# Altium PCB PCB1.PcbDoc (part 1 of 5) (continued)
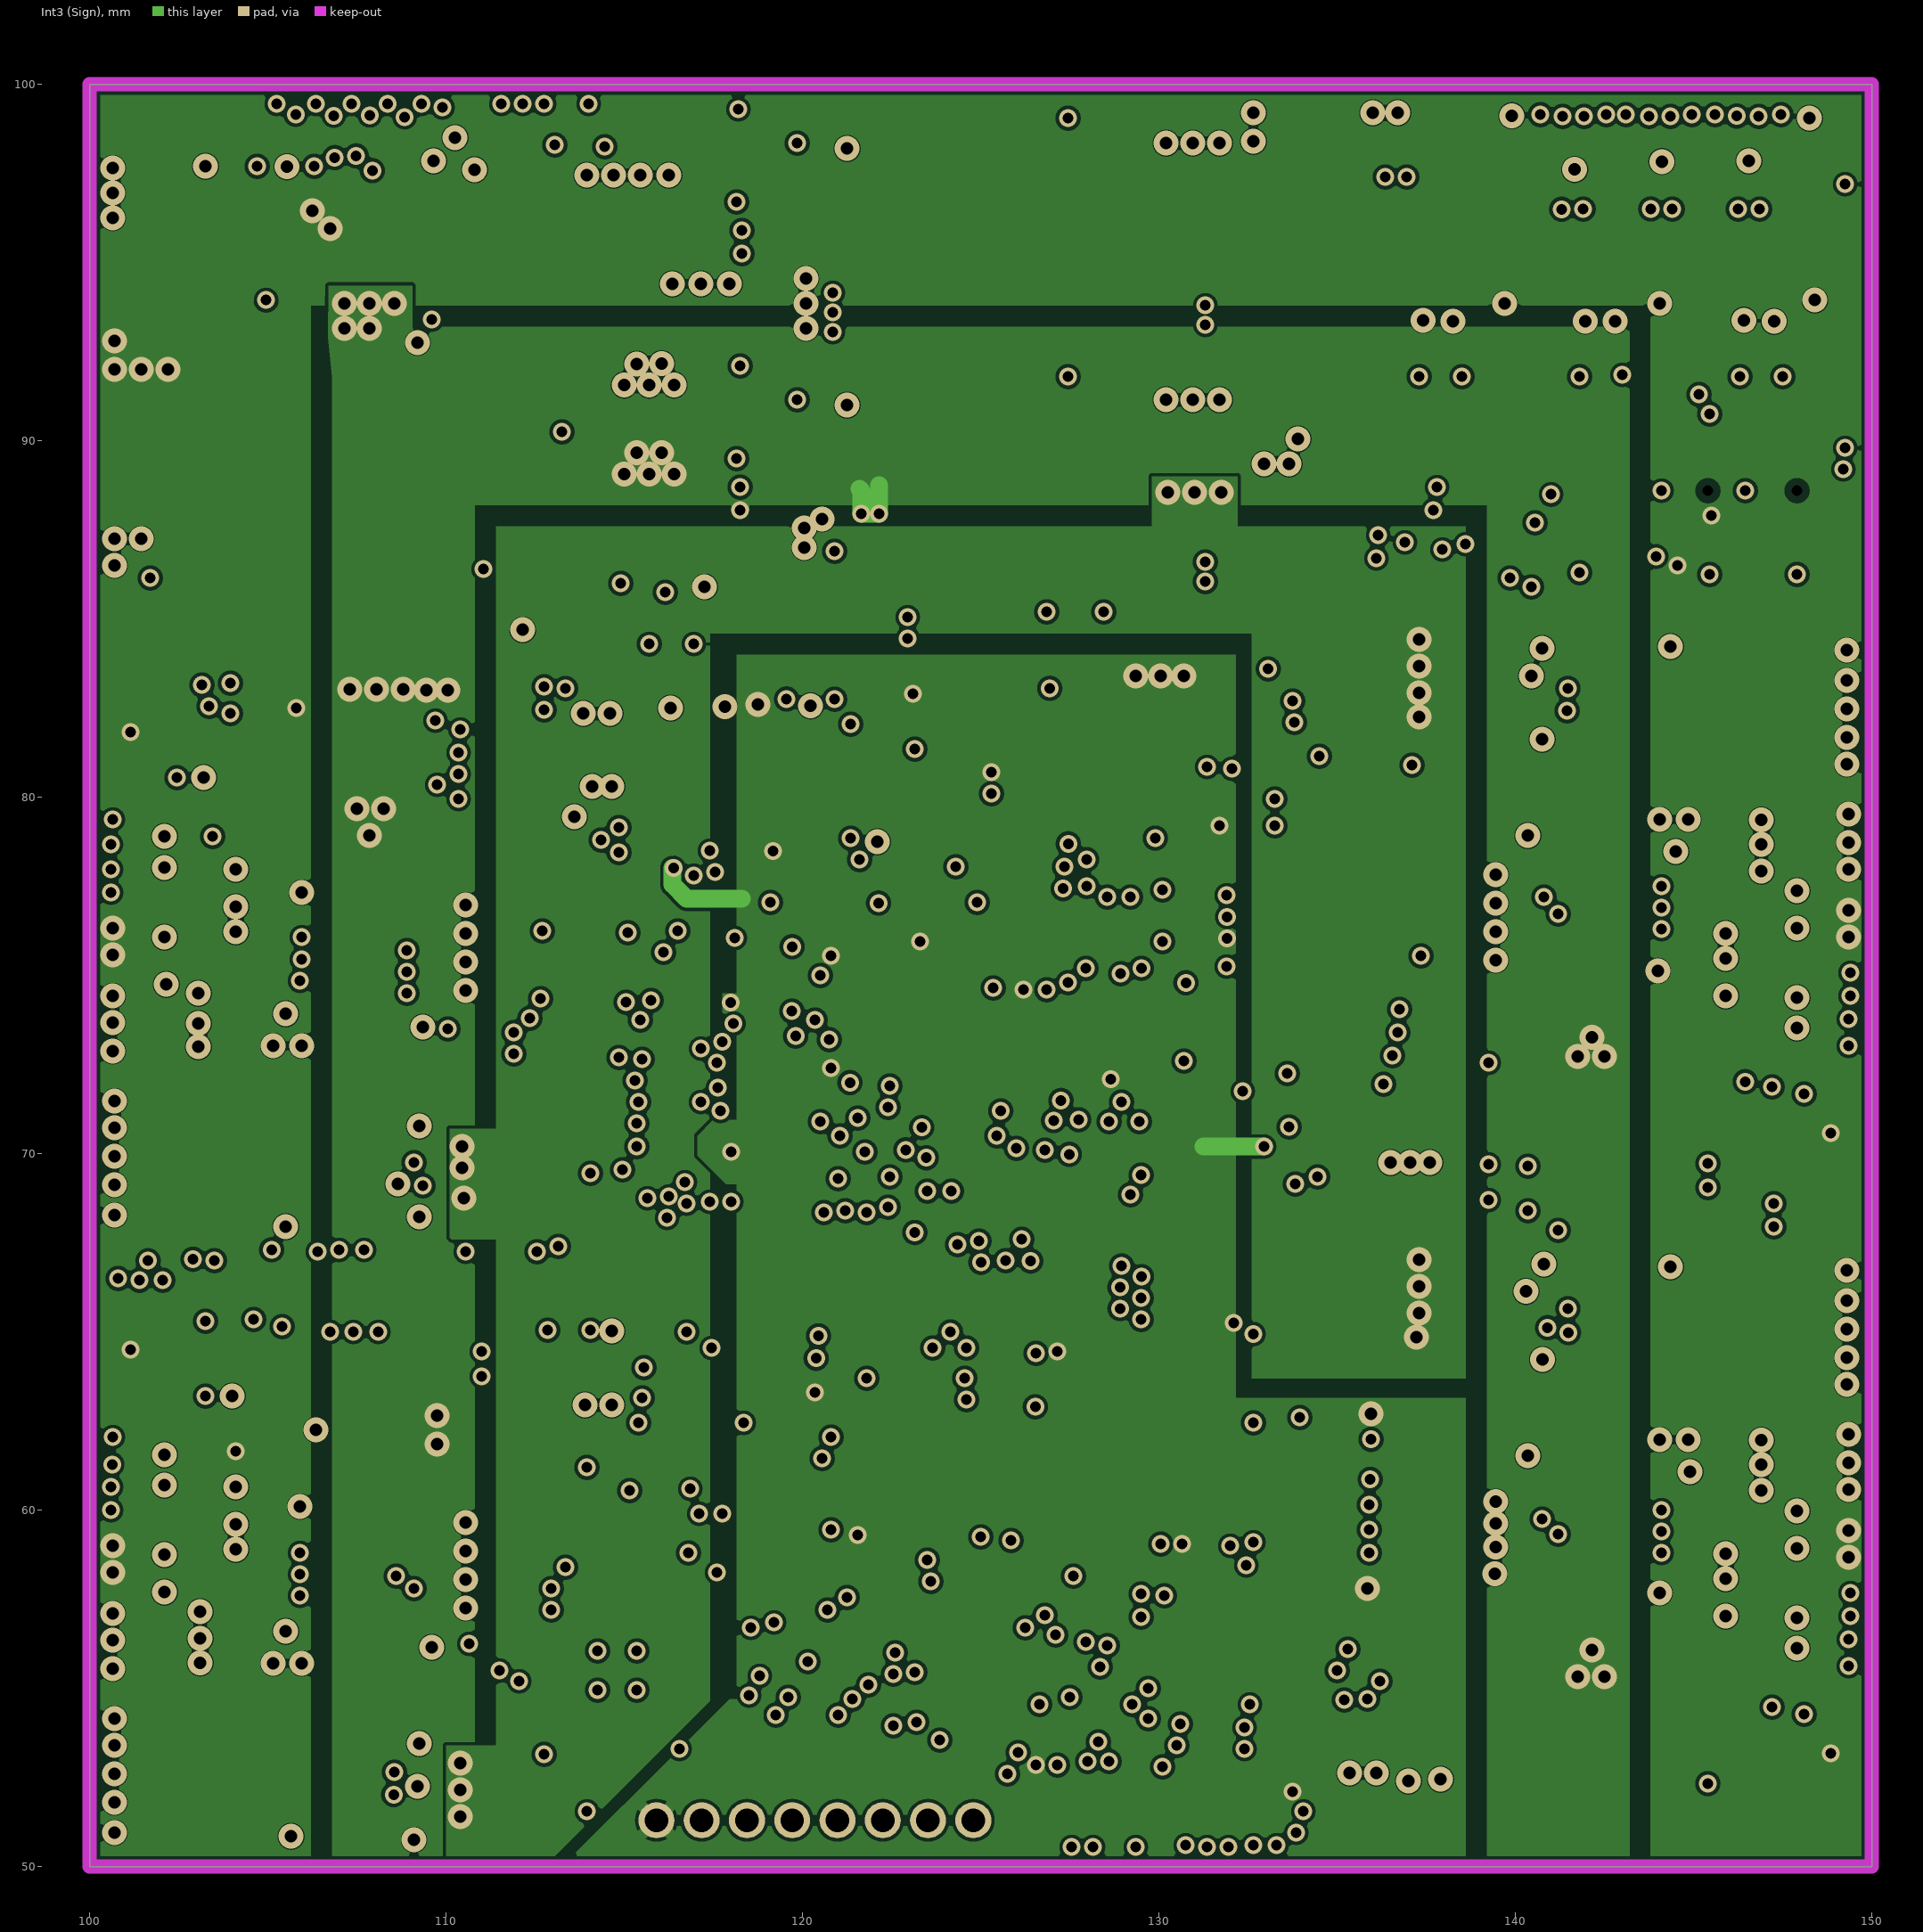
[diagram p4: Int3 (Sign)]
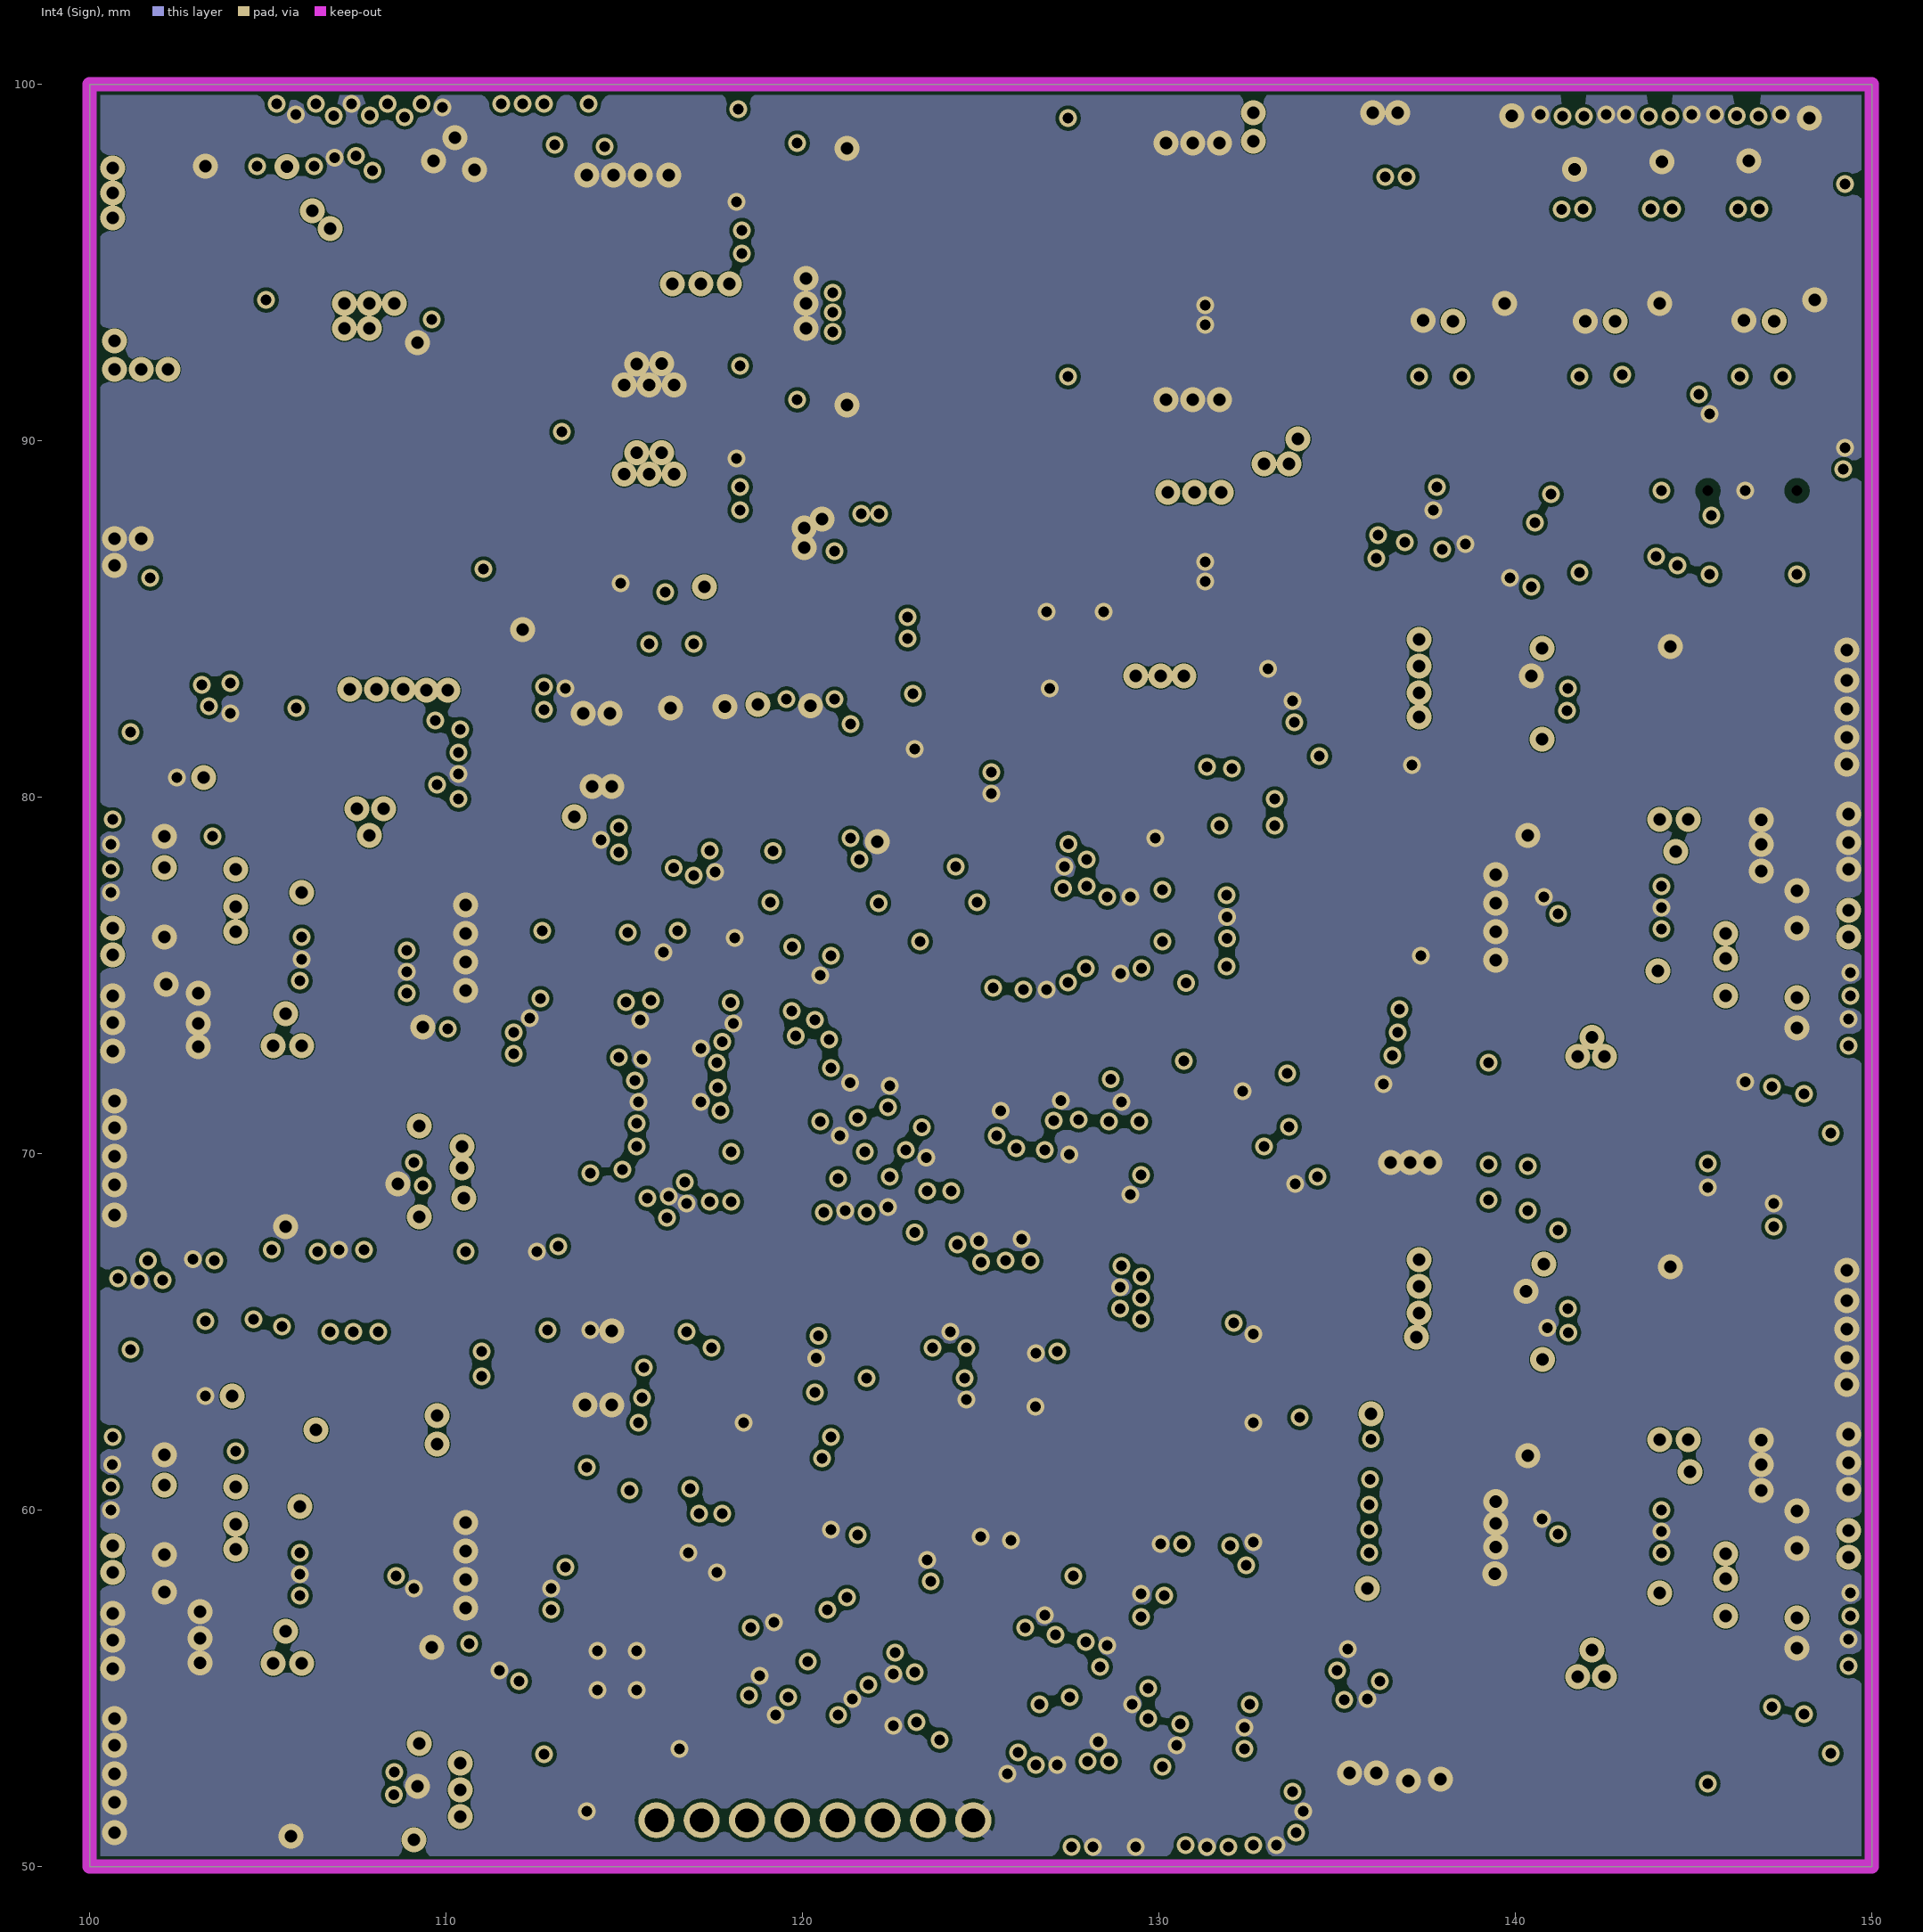
[diagram p5: Int4 (Sign)]
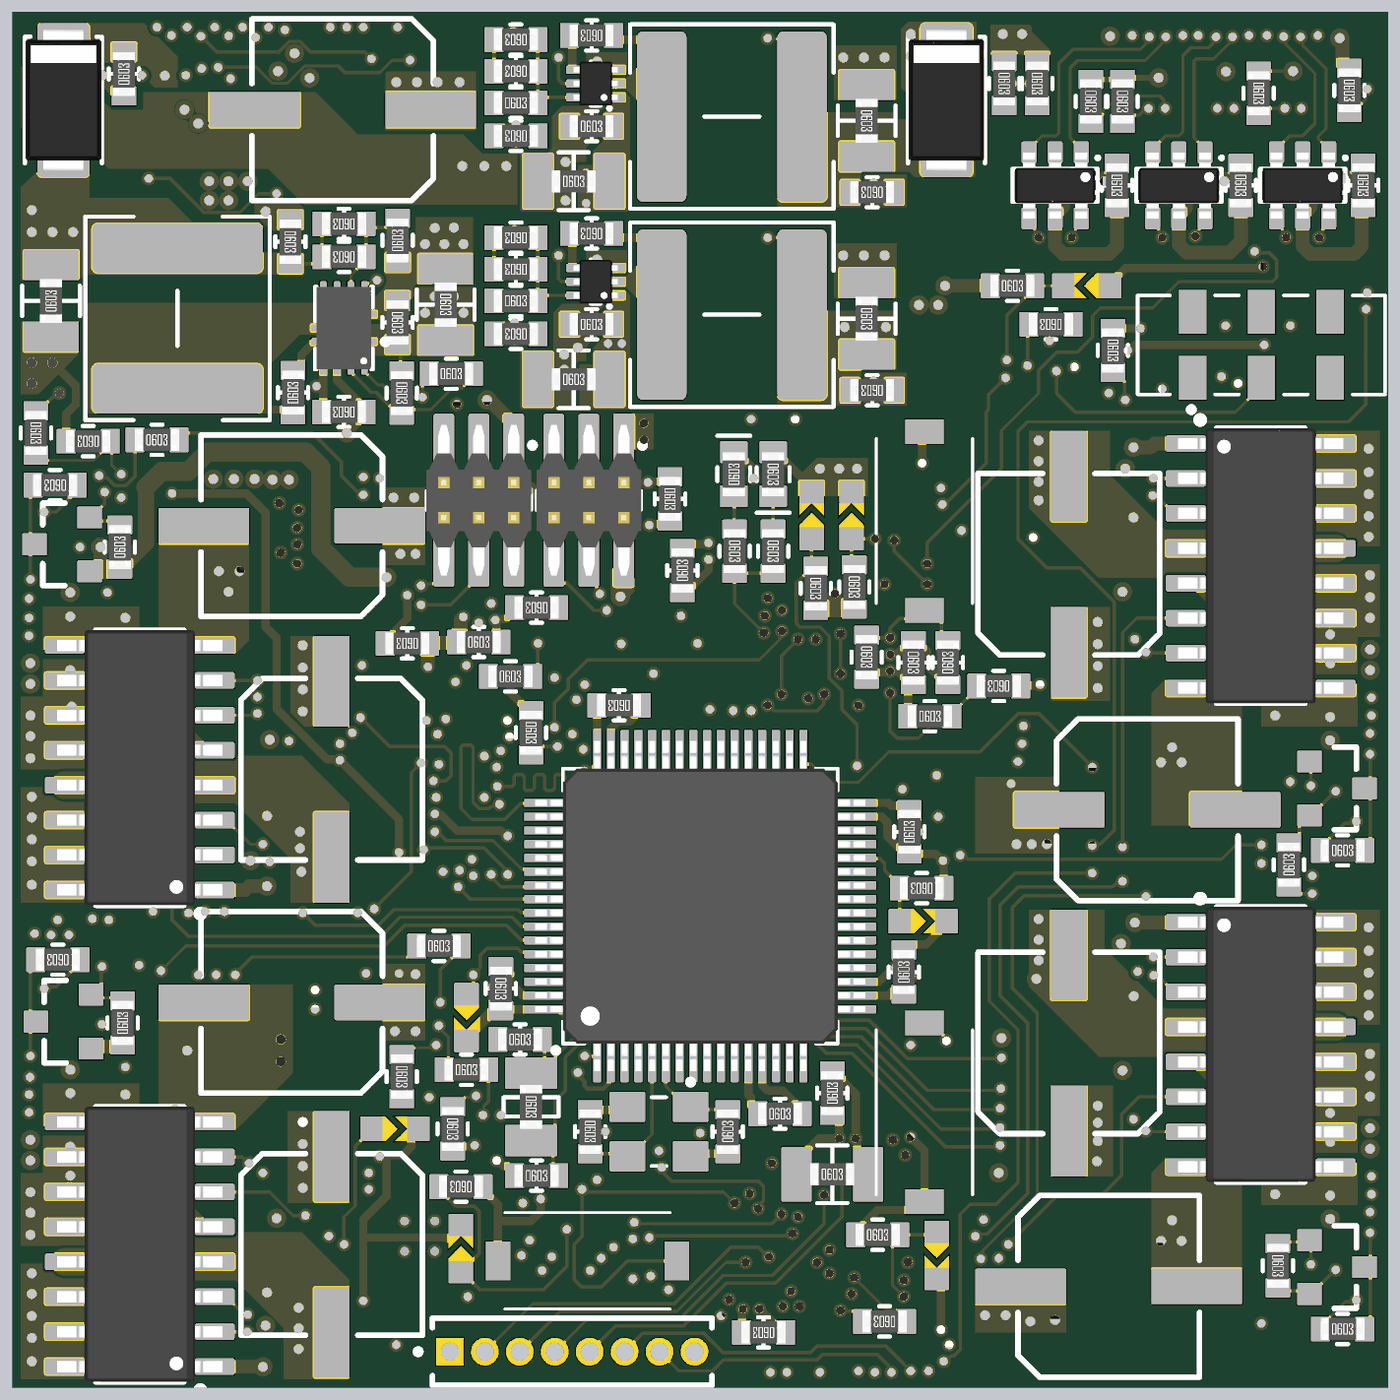
[diagram p10: 3D render of the assembled board from above, using the file's embedded part models]
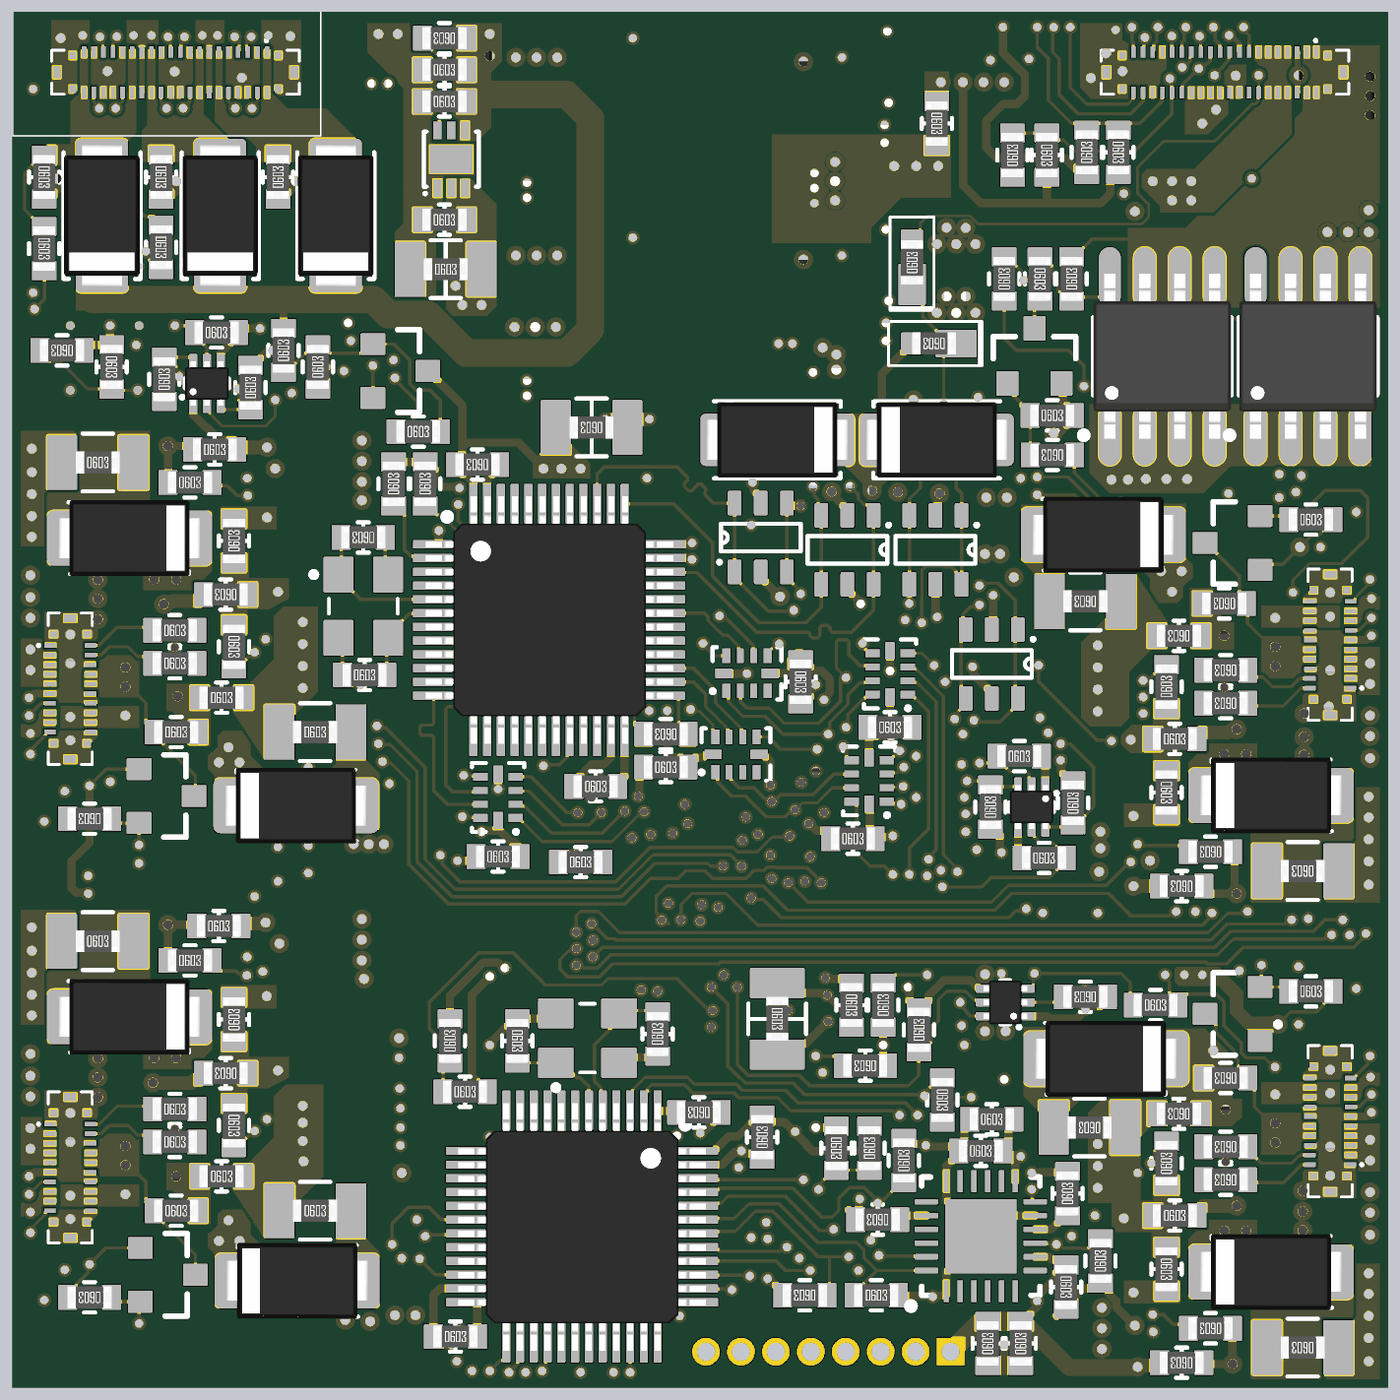
[diagram p11: 3D render of the assembled board from below, using the file's embedded part models]

## Layer stack, top to bottom
Top Solder: solder mask 0.0254, SM-001, Dk 4
Top Layer: signal copper 0.035
Dielectric 1: prepreg 0.0711, PP-006, Dk 4.1
Dielectric 2: prepreg 0.0711, PP-006, Dk 4.1
Int1 (GND): signal copper 0.035
Dielectric 3: core 0.4572, Core-035, Dk 4.7
Int2 (Sign): signal copper 0.035
Dielectric 4: prepreg 0.0711, PP-006, Dk 4.1
Dielectric 5: prepreg 0.0711, PP-006, Dk 4.1
Int3 (Sign): signal copper 0.035
Dielectric 6: core 0.4572, Core-035, Dk 4.7
Int4 (Sign): signal copper 0.035
Dielectric 7: prepreg 0.0711, PP-006, Dk 4.1
Dielectric 8: prepreg 0.0711, PP-006, Dk 4.1
Bottom Layer: signal copper 0.035
Bottom Solder: solder mask 0.0254, SM-001, Dk 4

## Board outline
100,100 150,100 150,50 100,50

## Design rules (kind name [scope] priority, off if disabled: settings)
Clearance [All] p1: gap=0.1 ignorepadtopadclearanceinfootprint=FALSE except(0.15: Arc-Arc Arc-Track Arc-SMDPad Track-Track Track-SMDPad; 0.2: Arc-Hole Track-Hole SMDPad-Hole THPad-Hole Via-Hole Fill-Hole Poly-Hole Region-Hole Text-Hole)
ComponentClearance [All] p1: gap=0 collisioncheckmode=3 verticalgap=0.254 showdistances=FALSE
DiffPairsRouting [All] p1: maxlimit=0.5 minlimit=0.254 mostfreqgap=0.3 toplayer_mingap=0.3 toplayer_minwidth=0.1 toplayer_maxwidth=0.5 toplayer_prefwidth=0.11 midlayer1_mingap=0.3 midlayer1_minwidth=0.1 midlayer1_maxwidth=0.5 midlayer1_prefwidth=0.1 midlayer2_mingap=0.3 midlayer2_minwidth=0.1 midlayer2_maxwidth=0.5 midlayer2_prefwidth=0.1 midlayer3_maxgap=0.254 midlayer3_prefgap=0.254 midlayer3_minwidth=0.381 midlayer3_maxwidth=0.381 midlayer3_prefwidth=0.381 midlayer4_maxgap=0.254 midlayer4_prefgap=0.254 midlayer4_minwidth=0.381 midlayer4_maxwidth=0.381 midlayer4_prefwidth=0.381 bottomlayer_mingap=0.3 bottomlayer_minwidth=0.1 bottomlayer_maxwidth=0.5 bottomlayer_prefwidth=0.11 maxuncoupledlength=12.7
HoleToHoleClearance [All] p1: gap=0.2 allowstackedmicrovias=TRUE
MinimumSolderMaskSliver [All] p1: minsoldermaskwidth=0.1
PlaneClearance [All] p1: clearance=0.2
PolygonConnect [All] p1: thpad.connectstyle=Relief thpad.reliefconductorwidth=0.3 thpad.reliefentries=4 thpad.polygonreliefangle="90 Angle" thpad.airgapwidth=0.1 thpad.conductorbypadedge=TRUE thpad.mindistance=0.381 thpad.enablemindistance=FALSE smdpad.connectstyle=Direct smdpad.reliefconductorwidth=0.18 smdpad.reliefentries=4 smdpad.polygonreliefangle="90 Angle" smdpad.airgapwidth=0.1 via.connectstyle=Direct via.reliefconductorwidth=0.254 via.reliefentries=4 via.polygonreliefangle="90 Angle" via.airgapwidth=0.254
RoutingVias [All] p1: holewidth=0.3 width=0.5 viastyle="Through Hole" minholewidth=0.3 minwidth=0.5 maxholewidth=1 maxwidth=1.5
SilkToSilkClearance [All] p1 off: silktosilkclearance=0.254
SilkToSolderMaskClearance [IsPad] p1 off: minsilkscreentomaskgap=0.254 clearancetoexposedcopper=TRUE
SolderMaskExpansion [All] p1: expansion=0.04 istentingtop=FALSE
SupplyNets "Schematic Supply Nets_8" [InNet('12V_in')] p1: voltage=0.000
SupplyNets "Schematic Supply Nets_7" [InNet('RTC_bat')] p2: voltage=0.000
SupplyNets "Schematic Supply Nets_6" [InNet('5V')] p3: voltage=0.000
SupplyNets "Schematic Supply Nets_5" [InNet('5V_mot')] p4: voltage=0.000
SupplyNets "Schematic Supply Nets_4" [InNet('12V')] p5: voltage=0.000
SupplyNets "Schematic Supply Nets_3" [InNet('3.3V')] p6: voltage=0.000
SupplyNets "Schematic Supply Nets_2" [InNet('5V_mcu')] p7: voltage=0.000
SupplyNets "Schematic Supply Nets_1" [InNet('5V_USB')] p8: voltage=0.000
SupplyNets "Schematic Supply Nets" [InNet('GND')] p9: voltage=0.000
Width Sig_Width [All] p1: maxlimit=1 minlimit=0.1 preferedwidth=0.254 toplayer_prefwidth=0.12 midlayer1_prefwidth=0.1 midlayer2_prefwidth=0.1 midlayer3_minwidth=0.254 midlayer3_maxwidth=0.254 midlayer4_minwidth=0.254 midlayer4_maxwidth=0.254 bottomlayer_prefwidth=0.12 minimp=50.000000 maximp=50.000000 favimp=50.000000
Width Diff_width [All] p2: maxlimit=1 minlimit=0.1 preferedwidth=0.254 toplayer_prefwidth=0.19 midlayer1_prefwidth=0.12 midlayer2_prefwidth=0.12 midlayer3_minwidth=0.254 midlayer3_maxwidth=0.254 midlayer4_minwidth=0.254 midlayer4_maxwidth=0.254 bottomlayer_prefwidth=0.19 minimp=50.000000 maximp=50.000000 favimp=50.000000
23 further rules are at their usual default settings.

## Classes and differential pairs
net class ub_MCU_UART: Sub_MCU_debug_RX Sub_MCU_debug_TX
net class Sum_MCU_SWD: Sub_MCU_SWO Sub_MCU_TCK Sub_MCU_TMS
net class STLink_SWD: STlink_SWO STlink_TCK STlink_TMS
net class Main_SWD: Main_SWO Main_TCK Main_TMS
net class Main_MCU_UART: Main_MCU_debug_RX Main_MCU_debug_TX
net class "Main_MCU_to SUB_MCU": Sub_MCU_CLK Sub_MCU_RX Sub_MCU_TX
net class Main_MCU_SWD: Main_MCU_SWO Main_MCU_TCK Main_MCU_TMS
net class Main_debug_UART: Main_debug_RX Main_debug_TX
net class I2C: IMU1_SCL IMU1_SDA
net class EXT_SWD: EXT_SWO EXT_TCK EXT_TMS
channel class connectors&drivers: Lidar1 Lidar2 Lidar3 Lidar4
component class U_Sub_MCU: C300 C301 C302 C303 C304 C305 C306 C307 C308 C309 C310 C311 C312 C313 C314 C315 C316 C317 D300 J300 J301 R300 R301 R302 R303 R304 R305 R306 R307 R308 R309 R310 R311 R312 R313 SB300 SB301 SB302 SW300 U300 U301 U302 Y300
component class U_ST_LINK: C400 C401 C402 C403 C404 C405 C406 C407 C408 C409 C410 C411 D400 D401 J201 J400 LED400 LED401 Q400 R400 R401 R402 R403 R404 R405 R406 R407 R408 R409 R410 R411 R412 R413 R414 R415 SB400 SB401 SW400 U400 U401 U402 U403 Y400
component class U_Power: C100 C101 C102 C103 C104 C105 C106 C107 C108 C109 C110 C111 C112 C113 C114 C115 C116 C117 C118 C119 C120 C121 C122 C123 C124 D100 L100 L101 L102 Q100 Q101 Q102 R100 R101 R102 R103 R104 R105 R106 R107 R108 R109 R110 R111 R112 R113 R114 R115 R116 R117 U100 U101 U102 U103
component class U_Main_MCU: C200 C201 C202 C203 C204 C205 C206 C207 C208 C209 C210 C211 C212 C213 C214 C215 C216 C217 C218 D200 D201 D202 D203 J200 J203 Q200 Q201 Q202 R200 R201 R202 R203 R204 R205 R206 R207 R208 R209 R210 R211 R212 R213 R214 R215 R216 R217 R218 R219 R220 R221 SB200 SB201 SW200 U200 U201 Y200 Y201
component class U_Debug_switch: C500 C501 C502 C503 C504 C505 C506 C507 D500 J500 R500 R501 R502 R503 SB500 SW500 U500 U501 U502 U503 U504 U505 U506
component class Lidar4: C600_4 C601_4 C602_4 C603_4 C604_4 C605_4 D600_4 D601_4 IC600_4 IC601_4 J600_4 R600_4 R601_4 R602_4 R603_4 R604_4 R605_4 R606_4 R607_4 R608_4 R609_4 U600_4
component class Lidar3: C600_3 C601_3 C602_3 C603_3 C604_3 C605_3 D600_3 D601_3 IC600_3 IC601_3 J600_3 R600_3 R601_3 R602_3 R603_3 R604_3 R605_3 R606_3 R607_3 R608_3 R609_3 U600_3
component class Lidar2: C600_2 C601_2 C602_2 C603_2 C604_2 C605_2 D600_2 D601_2 IC600_2 IC601_2 J600_2 R600_2 R601_2 R602_2 R603_2 R604_2 R605_2 R606_2 R607_2 R608_2 R609_2 U600_2
component class Lidar1: C600_1 C601_1 C602_1 C603_1 C604_1 C605_1 D600_1 D601_1 IC600_1 IC601_1 J600_1 R600_1 R601_1 R602_1 R603_1 R604_1 R605_1 R606_1 R607_1 R608_1 R609_1 U600_1
differential pair STlink: +STlink_P -STlink_N
differential pair Sub_MCU_USB: +Sub_MCU_USB_P -Sub_MCU_USB_N
differential pair Main_MCU_USB: +Main_MCU_USB_P -Main_MCU_USB_N
